# KiCad board SignalSnagger.kicad_pcb
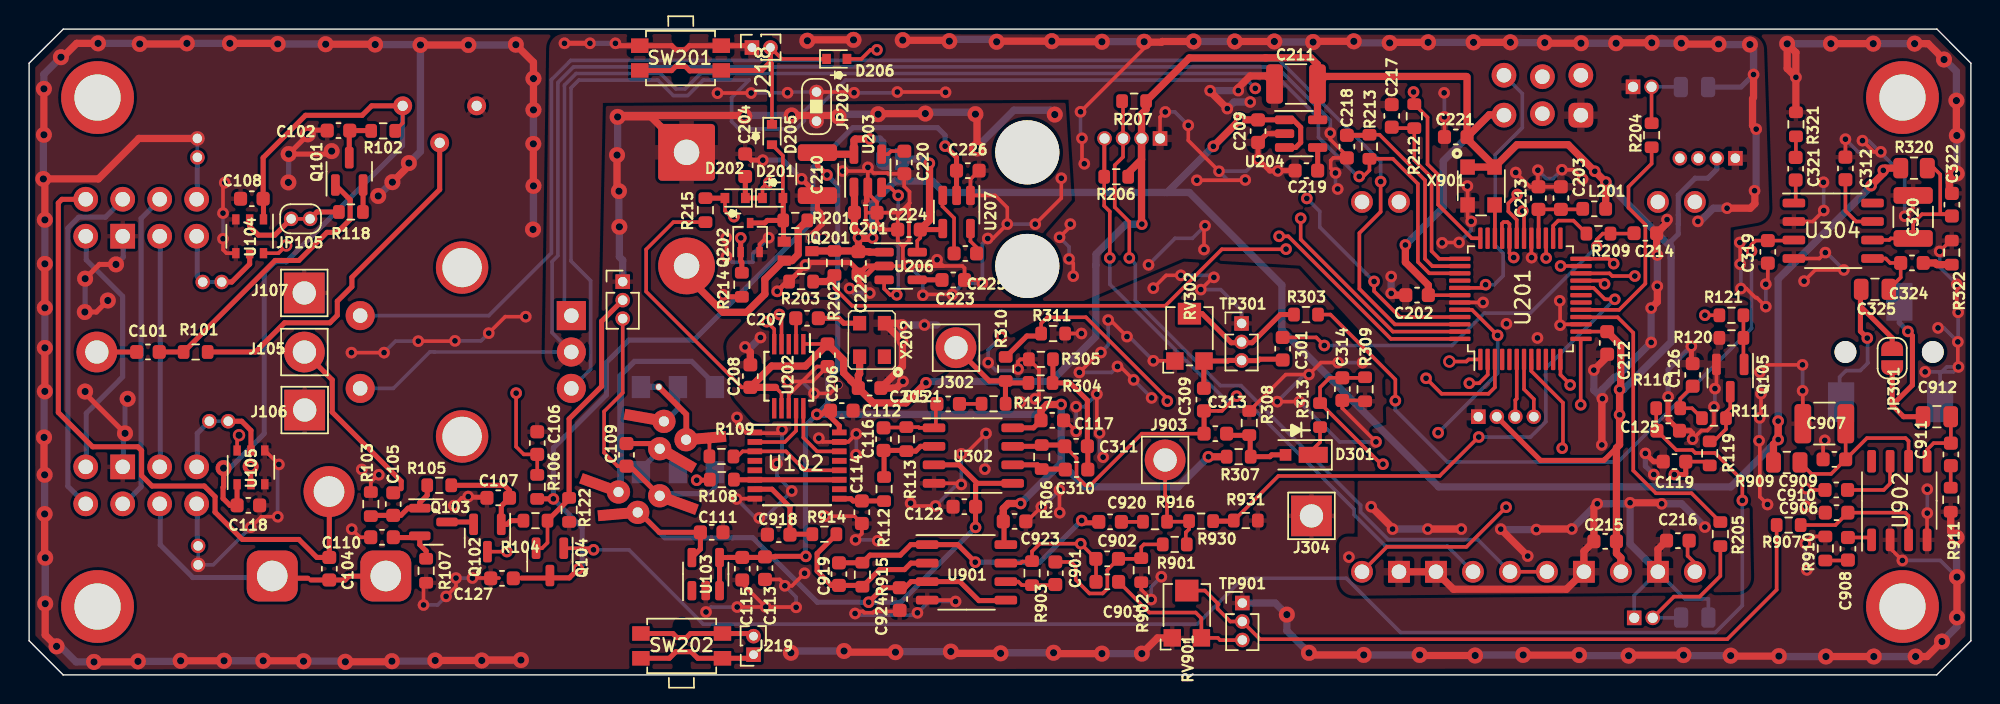
[diagram p0: board, top side]
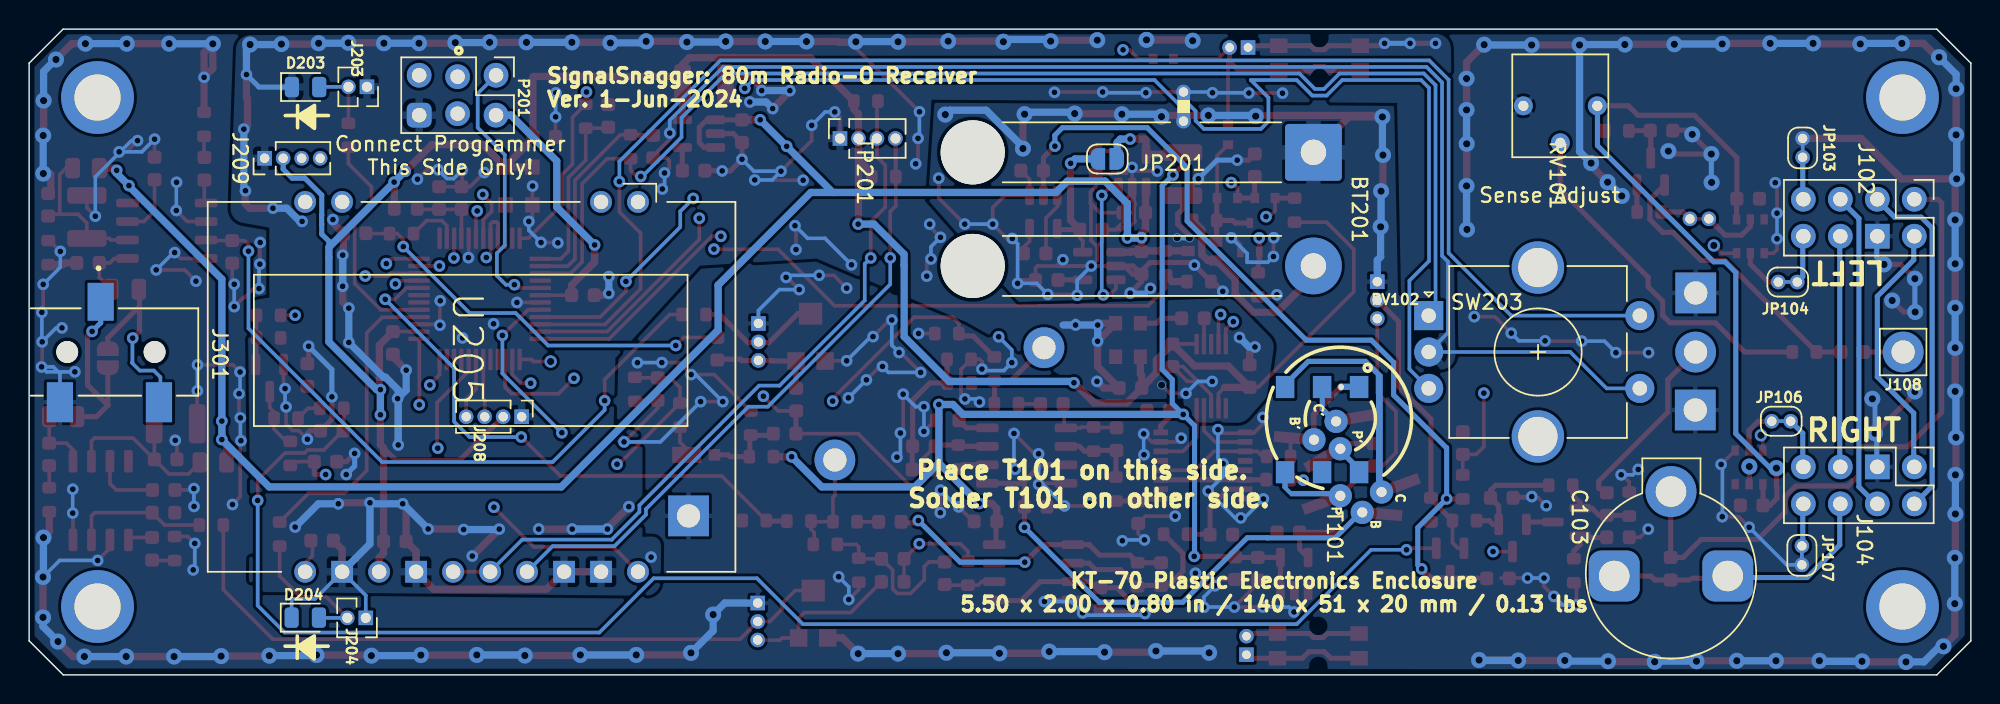
[diagram p1: board, bottom side, seen from below]

Outline 133.35 x 44.35 mm; copper layers: Top, In1.Cu, In2.Cu, Bottom. Coordinates in mm from the lower left corner of the outline.
Outline path: 0,42.01 0,2.34 2.33,0 131,0 133.35,2.34 133.35,42.01 131.02,44.35 2.34,44.35 0,42.01
Stack: Top 0.035mm / dielectric 0.14mm FR4 er 4.5 / In1.Cu 0.0175mm / dielectric 1.2mm FR4 er 4.5 / In2.Cu 0.0175mm / dielectric 0.14mm FR4 er 4.5 / Bottom 0.035mm

## Placement (name value [footprint] x y rotation side)
BT201  +7.4V 2S Battery  [SolderWire-1sqmm_1x02_P7.8mm_D1.4mm_OD3.9mm_Relief]  45.15 35.89 270 bottom
C101  100pF  [C_0603_1608Metric]  8.16 22.18 0 top
C102  100nF  [C_0603_1608Metric]  21.25 37.38 180 top
C103  8.5-100pF  [VC07B]  20.59 6.79 90 bottom
C104  51pF  [C_0603_1608Metric]  20.61 7.29 270 top
C105  10nF  [C_0603_1608Metric]  25 11.73 270 top
C106  10nF  [C_0603_1608Metric]  34.89 15.92 90 top
C107  10nF  [C_0603_1608Metric]  32.22 12.16 180 top
C108  100nF  [C_0603_1608Metric]  15.3 32.7 180 top
C109  2pF  [C_0603_1608Metric]  41.03 15.11 90 top
C110  10nF  [C_0603_1608Metric]  24.23 9.45 180 top
C111  100nF  [C_0603_1608Metric]  46.88 9.79 0 top
C112  100nF  [C_0603_1608Metric]  55.81 18.15 0 top
C113  10uF  [C_0603_1608Metric]  50.53 7.33 270 top
C114  47nF  [C_0603_1608Metric]  57.18 11.17 270 top
C115  100nF  [C_0603_1608Metric]  48.97 7.29 270 top
C116  390pF  [C_0603_1608Metric]  58.67 16.19 270 top
C117  100nF  [C_0603_1608Metric]  70.27 17.48 0 top
C118  100nF  [C_0603_1608Metric]  15.05 11.64 0 top
C119  100nF  [C_0603_1608Metric]  112.99 14.64 180 top
C121  100nF  [C_0603_1608Metric]  63.11 18.61 0 top
C122  100nF  [C_0603_1608Metric]  64.23 11.55 180 top
C125  1uF  [C_0603_1608Metric]  112.57 16.77 180 top
C126  1uF  [C_0603_1608Metric]  114.24 20.6 270 top
C127  100nF  [C_0603_1608Metric]  32.47 6.63 180 top
C201  100nF  [C_0603_1608Metric]  57.45 31.74 180 top
C202  100nF  [C_0603_1608Metric]  95.32 26.08 0 top
C203  100nF  [C_0603_1608Metric]  105.19 32.75 270 top
C204  10nF  [C_0603_1608Metric]  49.17 35 90 top
C205  100nF  [C_0603_1608Metric]  57.72 19.7 180 top
C206  470nF  [C_0603_1608Metric]  54.83 21.95 90 top
C207  100nF  [C_0603_1608Metric]  53.42 24.49 180 top
C208  470nF  [C_0603_1608Metric]  49.53 20.52 90 top
C209  100nF  [C_0603_1608Metric]  84.39 37.34 90 top
C210  47uF  [C_1210_3225Metric]  54.14 34.39 90 top
C211  47uF  [C_1210_3225Metric]  87.01 40.58 0 top
C212  100nF  [C_0603_1608Metric]  108.37 22.8 90 top
C213  10uF  [C_0603_1608Metric]  103.65 32.75 90 top
C214  10nF  [C_0603_1608Metric]  110.99 30.33 0 top
C215  1uF  [C_0603_1608Metric]  108.23 9.17 180 top
C216  1uF  [C_0603_1608Metric]  113.23 9.22 0 top
C217  10nF  [C_0603_1608Metric]  93.58 38.39 90 top
C218  10nF  [C_0603_1608Metric]  90.5 36.28 90 top
C219  10nF  [C_0603_1608Metric]  87.71 34.63 180 top
C220  10nF  [C_0603_1608Metric]  60.11 35.19 270 top
C221  100nF  [C_0603_1608Metric]  97.98 36.94 0 top
C222  100nF  [C_0603_1608Metric]  56.95 28.29 90 top
C223  10nF  [C_0603_1608Metric]  63.46 27.12 0 top
C224  10uF  [C_0603_1608Metric]  60.42 30.58 0 top
C225  10uF  [C_0603_1608Metric]  64.3 28.94 0 top
C226  10uF  [C_0603_1608Metric]  64.46 34.63 0 top
C301  100nF  [C_0603_1608Metric]  86.08 22.4 270 top
C309  100nF  [C_0603_1608Metric]  80.67 18.91 90 top
C310  150nF  [C_0603_1608Metric]  71.93 14.1 0 top
C311  4.7nF  [C_0603_1608Metric]  71.9 15.7 0 top
C312  10uF  [C_0603_1608Metric]  124.73 34.78 270 top
C313  100nF  [C_0603_1608Metric]  81.46 16.56 0 top
C314  1uF  [C_0603_1608Metric]  90.18 19.62 270 top
C319  10nF  [C_0603_1608Metric]  119.4 29.05 270 top
C320  47uF  [C_1210_3225Metric]  129.38 31.45 90 top
C321  1uF  [C_0603_1608Metric]  121.32 34.76 90 top
C322  100nF  [C_0603_1608Metric]  132.05 32.29 90 top
C324  100nF  [C_0603_1608Metric]  129.31 28.29 180 top
C325  22uF  [C_0805_2012Metric]  126.77 26.48 0 top
C901  150nF  [C_0603_1608Metric]  70.48 6.98 90 top
C902  4.7nF  [C_0603_1608Metric]  74.04 7.97 0 top
C903  100nF  [C_0603_1608Metric]  74.05 6.39 0 top
C906  10nF  [C_0603_1608Metric]  124.12 11.14 180 top
C907  47uF  [C_1210_3225Metric]  123.29 17.25 180 top
C908  1uF  [C_0603_1608Metric]  124.9 8.66 270 top
C909  100nF  [C_0603_1608Metric]  123.98 14.8 180 top
C910  10uF  [C_0603_1608Metric]  124.11 12.7 0 top
C911  100nF  [C_0603_1608Metric]  131.98 15.14 90 top
C912  22uF  [C_0805_2012Metric]  131.01 17.73 0 top
C918  47nF  [C_0603_1608Metric]  51.48 9.63 180 top
C919  390pF  [C_0603_1608Metric]  55.61 6.92 90 top
C920  100nF  [C_0603_1608Metric]  74.23 10.51 0 top
C923  100nF  [C_0603_1608Metric]  67.67 10.54 0 top
C924  100nF  [C_0603_1608Metric]  59.79 5.21 270 top
D201  1N914WT  [D_SOD-523]  51.07 32.75 0 top
D202  1N914WT  [D_SOD-523]  48.48 32.75 180 top
D203  Red LED  [LED_0805_2012Metric]  114.36 40.37 180 bottom
D204  Green LED  [LED_0805_2012Metric]  114.39 3.93 180 bottom
D205  1N914WT  [D_SOD-523]  51.02 37.11 270 top
D206  1N914WT  [D_SOD-523]  55.46 42.3 0 top
D301  MSS1P4-M3  [DO-219AD]  87.18 15.11 180 top
J102  -  [69830-008LF#2]  3.89 32.67 270 bottom
J104  -  [69830-008LF]  3.89 14.28 270 bottom
J105  36-5005-ND  [Pin_D1.6mm_L8.5mm_W2.8mm_FlatFork]  18.91 22.17 0 top
J106  36-5006-ND  [Pin_D1.6mm_L8.5mm_W2.8mm_FlatFork#2]  18.92 18.19 0 top
J107  36-5006-ND  [Pin_D1.6mm_L8.5mm_W2.8mm_FlatFork#2]  18.89 26.23 0 top
J108  36-5005-ND  [Pin_D1.6mm_L8.5mm_W2.8mm_FlatFork]  4.65 22.17 180 bottom
J203  Conn_01x02  [PinSocket_1x02_P1.27mm_Vertical#2]  110.15 40.39 270 bottom
J204  Conn_01x02  [PinSocket_1x02_P1.27mm_Vertical#2]  110.23 3.92 270 bottom
J208  Conn_01x04  [PinHeader_1x04_P1.27mm_Vertical]  99.52 17.73 270 bottom
J209  Conn_01x04  [PinHeader_1x04_P1.27mm_Vertical]  117.17 35.48 90 bottom
J218  Conn_01x02  [PinSocket_1x02_P1.27mm_Vertical]  49.64 43.08 90 top
J219  Conn_01x02  [PinSocket_1x02_P1.27mm_Vertical]  49.75 1.39 180 top
J301  35RASMT2BHSNTRX  [SWITCHCRAFT_35RASMT2BHSNTRX]  133.24 22.17 270 bottom
J302  36-5005-ND  [Pin_D1.6mm_L8.5mm_W2.8mm_FlatFork]  63.65 22.47 0 top
J304  36-5006-ND  [Pin_D1.6mm_L8.5mm_W2.8mm_FlatFork#2]  88.07 10.92 0 top
J903  36-5005-ND  [Pin_D1.6mm_L8.5mm_W2.8mm_FlatFork]  78.02 14.76 0 top
JP103  Jumper_2_Bridged  [Jumper_THT-1x02_Bridged_Circular]  11.55 36.19 270 bottom
JP104  Jumper_2_Bridged  [Jumper_THT-1x02_Bridged_Circular]  12.58 26.98 180 bottom
JP105  Jumper_2_Bridged  [Jumper_THT-1x02_Bridged_Circular]  18.64 31.32 180 top
JP106  Jumper_2_Bridged  [Jumper_THT-1x02_Bridged_Circular]  13.03 17.42 180 bottom
JP107  Jumper_2_Bridged  [Jumper_THT-1x02_Bridged_Circular]  11.61 8.21 90 bottom
JP201  SolderJumper_2_Open  [SolderJumper-2_P1.3mm_Open_RoundedPad1.0x1.5mm]  59.3 35.43 180 bottom
JP202  Jumper_2_Bridged  [Jumper_THT-1x02_Bridged_Circular#2]  54.08 39.03 270 top
JP301  SolderJumper_2_Open  [SolderJumper-2_P1.3mm_Open_RoundedPad1.0x1.5mm]  127.95 21.75 270 top
L201  10uH  [L_0603_1608Metric]  107.48 32.01 180 top
P201  ISP/PDI  [PinHeader_2x03_P2.54mm_Vertical]  101.39 41.08 270 bottom
Q101  MMBT2222A  [SOT-23]  21.98 34.58 90 top
Q102  MMBT2222A  [SOT-23]  31.47 9.4 270 top
Q103  MMBT2222A  [SOT-23]  27.77 10.5 0 top
Q104  MMBT2222A  [SOT-23]  35.77 7.76 270 top
Q105  MMBT2222A  [SOT-23]  116.83 20.39 270 top
Q201  NTS4173PT1G  [SOT-323_SC-70#2]  52.8 29.1 0 top
Q202  BSS138W-7-F  [SOT-323_SC-70]  49.52 30.03 90 top
R101  100k  [R_0603_1608Metric]  11.44 22.18 0 top
R102  1k  [R_0603_1608Metric]  24.31 37.36 180 top
R103  10k  [R_0603_1608Metric]  23.47 11.73 90 top
R104  22k  [R_0603_1608Metric]  34.78 10.59 180 top
R105  10k  [R_0603_1608Metric]  28.17 13.02 180 top
R106  100  [R_0603_1608Metric]  34.89 12.91 90 top
R107  470  [R_0603_1608Metric]  27.27 7.15 270 top
R108  10  [R_0603_1608Metric]  47.58 13.41 180 top
R109  10  [R_0603_1608Metric]  47.55 15 180 top
R110  2.7k  [R_0603_1608Metric]  112.57 18.31 0 top
R111  2.7k  [R_0603_1608Metric]  115.7 17.63 0 top
R112  49.9  [R_0603_1608Metric]  58.71 12.76 270 top
R113  4.99k  [R_0603_1608Metric]  60.24 16.19 270 top
R117  100  [R_0603_1608Metric]  66.23 18.62 0 top
R118  49.9  [R_0603_1608Metric]  22.09 31.79 0 top
R119  2.7k  [R_0603_1608Metric]  115.42 15.21 90 top
R120  10k  [R_0603_1608Metric]  116.9 23.14 180 top
R121  1k  [R_0603_1608Metric]  116.9 24.69 180 top
R122  10k  [R_0603_1608Metric]  37.08 11.33 270 top
R201  100k  [R_0603_1608Metric]  52.61 31.21 180 top
R202  162k  [R_0603_1608Metric]  55.3 28.29 90 top
R203  12.4k  [R_0603_1608Metric]  53.02 27.01 0 top
R204  1k  [R_0603_1608Metric]  111.42 37.06 90 top
R205  220  [R_0603_1608Metric]  116.14 9.67 270 top
R206  10k  [R_0603_1608Metric]  74.65 34.21 180 top
R207  10k  [R_0603_1608Metric]  75.89 39.4 180 top
R209  100  [R_0603_1608Metric]  107.77 30.31 0 top
R212  10k  [R_0603_1608Metric]  95.13 38.37 270 top
R213  10k  [R_0603_1608Metric]  92.05 36.27 90 top
R214  10k  [R_0603_1608Metric]  48.94 26.79 90 top
R215  10k  [R_0603_1608Metric]  46.44 31.92 90 top
R303  10k  [R_0603_1608Metric]  87.69 24.75 0 top
R304  4.7k  [R_0603_1608Metric]  69.45 20.05 0 top
R305  7.5k  [R_0603_1608Metric]  69.48 21.67 180 top
R306  51k  [R_0603_1608Metric]  69.54 14.96 90 top
R307  330k  [R_0603_1608Metric]  83.07 14.98 0 top
R308  10k  [R_0603_1608Metric]  83.8 17.3 90 top
R309  51k  [R_0603_1608Metric]  91.74 19.61 90 top
R310  49.9k  [R_0603_1608Metric]  67.07 21.01 90 top
R311  10k  [R_0603_1608Metric]  70.33 23.44 0 top
R313  1k  [R_0603_1608Metric]  88.65 17.84 90 top
R320  10  [R_0805_2012Metric]  129.44 34.8 0 top
R321  470  [R_0603_1608Metric]  121.33 37.81 90 top
R322  10  [R_0603_1608Metric]  132.04 29 90 top
R901  4.7k  [R_0603_1608Metric]  78.67 8.96 180 top
R902  7.5k  [R_0603_1608Metric]  76.37 7.19 270 top
R903  51k  [R_0603_1608Metric]  68.87 6.98 90 top
R907  10k  [R_0603_1608Metric]  120.83 10.29 0 top
R909  10  [R_0805_2012Metric]  120.7 14.59 0 top
R910  470  [R_0603_1608Metric]  123.36 8.68 90 top
R911  10  [R_0603_1608Metric]  131.96 12.03 270 top
R914  49.9  [R_0603_1608Metric]  54.61 9.66 180 top
R915  4.99k  [R_0603_1608Metric]  57.23 6.88 90 top
R916  100  [R_0603_1608Metric]  77.32 10.52 0 top
R930  49.9k  [R_0603_1608Metric]  80.48 10.56 0 top
R931  10k  [R_0603_1608Metric]  83.55 10.6 0 top
REF**  MountingHole_3.175mm_0.125in  [MountingHole_3.2mm_M3]  4.7 4.69 0 top
REF**#2  MountingHole_3.175mm_0.125in  [MountingHole_3.2mm_M3]  128.65 4.69 0 top
REF**#3  MountingHole_3.175mm_0.125in  [MountingHole_3.2mm_M3]  4.7 39.65 0 top
REF**#4  MountingHole_3.175mm_0.125in  [MountingHole_3.2mm_M3]  128.65 39.65 0 top
RV101  10k 10T  [Potentiometer_Bourns_3362P_Vertical]  30.73 39.08 270 bottom
RV102  np  [PinHeader_1x03_P1.27mm_Vertical]  40.77 27 0 top
RV302  100k  [Potentiometer_Bourns_TC33X_Vertical]  79.68 23.36 90 top
RV901  100k  [Potentiometer_Bourns_TC33X_Vertical]  79.51 4.34 90 top
SW201  SW_SPST  [SW_SPST_TL1014BF160QG]  44.73 42.36 180 top
SW202  SW_SPST  [SW_SPST_TL1014BF160QG]  44.81 1.99 0 top
SW203  PEC12R-4225F-S0024  [RotaryEncoder_Bourns_PEC12R-Switch_Vertical_CircularMountingHoles]  29.73 22.17 180 bottom
T101  Coilcraft_PWB-4-CLC  [Coilcraft-PWB-4-CLC]  43.3 17.58 90 bottom
TP201  I2C1  [PinSocket_1x04_P1.27mm_Vertical]  77.67 36.84 90 bottom
TP301  Conn_01x03  [PinHeader_1x03_P1.27mm_Vertical]  83.27 24.14 0 top
TP901  Conn_01x03  [PinHeader_1x03_P1.27mm_Vertical]  83.32 4.94 0 top
U102  QS3253QG8  [SSOP-16_4.4x5.2mm_P0.65mm]  52.74 14.38 0 top
U103  REF4132B33  [SOT-23-5]  46.47 6.92 90 top
U104  DG9422E  [TSOP-6_1.65x3.05mm_P0.95mm]  15.14 30.12 270 top
U105  DG9422E  [TSOP-6_1.65x3.05mm_P0.95mm]  15.23 14.25 90 top
U201  AVR128DA48  [TQFP-48_7x7mm_P0.5mm]  102.41 25.83 90 top
U202  SI5351  [MSOP-10_3x3mm_P0.5mm]  52.17 20.51 270 top
U203  LP2985-5.0  [SOT-23-5]  57.6 34.62 90 top
U204  LP2985-3.3  [SOT-23-5]  87.36 37.17 0 top
U205  EA_DOGS104W-A  [EA_DOGS104X-A]  91.54 32.48 270 bottom
U206  LP2985-5.0  [SOT-23-5]  59.86 28.08 0 top
U207  MAX1683EUK  [SOT-23-5]  63.7 31.79 270 top
U302  TS912IDT  [SO-8_3.9x4.9mm_P1.27mm]  64.85 15.06 0 top
U304  LM386  [SOIC-8_3.9x4.9mm_P1.27mm]  123.89 30.5 0 top
U901  TS912IDT  [SO-8_3.9x4.9mm_P1.27mm]  64.37 7.04 0 top
U902  LM386  [SOIC-8_3.9x4.9mm_P1.27mm]  128.44 11.97 90 top
X202  25 MHz  [Crystal_SMD_TXETCLSANF-4Pin]  57.89 23 90 top
X901  ECS-327TXO-30-TR  [Oscillator_SMD_ECS_327TXO]  99.71 33.58 0 top

## Library data of the parts
BT201 = -: Digi-Key Part No.: NP
C101 = -: Description: CAP CER 100PF 50V C0G/NPO 0603; Digi-Key Part No.: 311-1069-1-ND; Link: https://www.digikey.com/en/products/detail/yageo/CC0603JRNPO9BN101/302803; Manufacturer: YAGEO; Manufacturer PN: CC0603JRNPO9BN101
C102 C108 C111 C112 C115 C117-C119 C121 C122 C127 C201-C203 C205 C207 C209 C212 C221 C222 C301 C309 C313 C322 C324 C903 C909 C911 C920 C923 C924 = -: Description: CAP CER 0.1UF 25V X7R 0603; Digi-Key Part No.: 1276-1006-1-ND; Link: https://www.digikey.com/en/products/detail/samsung-electro-mechanics/CL10B104KA8NNNC/3886664; Manufacturer: Samsung Electro-Mechanics; Manufacturer PN: CL10B104KA8NNNC
C103 = -: Digi-Key Part No.: N/P; Link: https://www.jameco.com/z/CTC07RB-100-Jameco-ValuePro-Capacitor-Ceramic-Trimmer-8mm-8-5-100pf-250-Volt-Color-Purple_94449.html; Manufacturer PN: CTC07RB-100
C104 = -: Description: CAP CER 51PF 50V C0G/NP0 0603; Digi-Key Part No.: 1276-2310-1-ND; Link: https://www.digikey.com/short/1b7zj2f9; Manufacturer: Samsung Electro-Mechanics; Manufacturer PN: CL10C510JB8NNNC
C105-C107 C110 C204 C214 C217-C220 C223 C319 C906 = -: Description: CAP CER 0603 10NF 16V ULTRA STAB; Digi-Key Part No.: 399-C0603X103J4HACAUTOCT-ND; Link: https://www.digikey.com/short/w78125d0; Manufacturer: KEMET; Manufacturer PN: C0603X103J4HACAUTO
C109 = -: Description: CAP CER 2PF 50V NP0 0603; Digi-Key Part No.: 478-11610-1-ND; Link: https://www.digikey.com/en/products/detail/kyocera-avx/06035A2R0JAT2A/3080535; Manufacturer: KYOCERA AVX; Manufacturer PN: 06035A2R0JAT2A
C113 C213 C224-C226 C312 C910 = -: Description: CAP CER 10UF 16V X6S 0603; Digi-Key Part No.: 490-7198-1-ND; Link: https://www.digikey.com/en/products/detail/murata-electronics/GRM188C81C106MA73D/3900463; Manufacturer: Murata Electronics; Manufacturer PN: GRM188C81C106MA73D
C114 C918 = -: Description: CAP CER 0603 47NF 16V X7R 5%; Digi-Key Part No.: 399-C0603X473J4RECAUTO7411CT-ND; Manufacturer: KEMET; Manufacturer PN: C0603X473J4RECAUTO7411
C116 C919 = -: Description: CAP CER 390PF 50V C0G/NPO 0603; Digi-Key Part No.: 311-1076-1-ND; Manufacturer: YAGEO; Manufacturer PN: CC0603JRNPO9BN391
C125 C126 C215 C216 C314 C321 C908 = -: Description: CAP CER 1UF 25V X5R 0603; Digi-Key Part No.: 311-1445-1-ND; LCSC Part Number: C29926; Link: https://www.digikey.com/short/q2f22qnq; Manufacturer: YAGEO; Manufacturer PN: CC0603KRX5R8BB105
C206 C208 = -: Description: CAP CER 470NF 25V X7R 0603; Digi-Key Part No.: 1276-CL10B474KA8VPJCCT-ND; Manufacturer: Samsung Electro-Mechanics; Manufacturer PN: CL10B474KA8VPJC
C210 C211 C320 C907 = -: Description: CAP CER 47UF 16V X5R 1210; Digi-Key Part No.: 1276-3376-1-ND; Manufacturer: Samsung Electro-Mechanics; Manufacturer PN: CL32A476KOJNNNE
C310 C901 = -: Description: CAP CER 0.15UF 16V X7R 0603; Digi-Key Part No.: 399-C0603C154J4RAC7867CT-ND; Manufacturer: KEMET; Manufacturer PN: C0603C154J4RAC7867
C311 C902 = -: Description: CAP CER 0603 4.7NF 16V X7R 10%; Digi-Key Part No.: 399-17879-1-ND; Manufacturer: KEMET; Manufacturer PN: C0603C472K4RECAUTO
C325 C912 = -: Description: CAP CER 22UF 16V X5R 0805; Digi-Key Part No.: 1276-2909-1-ND; Manufacturer: Samsung Electro-Mechanics; Manufacturer PN: CL21A226MOQNNNE
D201 D202 D205 D206 = -: Description: DIODE GEN PURP 80V 125MA SOD523; Digi-Key Part No.: 1N4148WTDICT-ND; LCSC Part Number: C83482; Link: https://www.digikey.com/en/products/detail/diodes-incorporated/1N4148WT-7/583731; Manufacturer: Diodes Incorporated; Manufacturer PN: 1N4148WT-7
D203 = -: Description: LED RED CLEAR SMD; Digi-Key Part No.: 160-1415-1-ND; LCSC Part Number: C94868; Link: https://www.digikey.com/en/products/detail/liteon/LTST-C170KRKT/386779; Manufacturer: Lite-On Inc.; Manufacturer PN: LTST-C170KRKT
D204 = -: Description: LED GREEN CLEAR SMD; Digi-Key Part No.: 160-1414-1-ND; LCSC Part Number: C98221; Link: https://www.digikey.com/en/products/detail/liteon/LTST-C170KGKT/386777; Manufacturer: Lite-On Inc.; Manufacturer PN: LTST-C170KGKT
D301 = -: Description: DIODE SCHOTTKY 40V 1A MICROSMP; Digi-Key Part No.: MSS1P4-M3/89AGICT-ND; Manufacturer: Vishay General Semiconductor - Diodes Division; Manufacturer PN: MSS1P4-M3/89A
J102 J104 = -: Description: CONN DIP HDR IDC 8POS VERT; Digi-Key Part No.: 609-3083-ND; Manufacturer: Amphenol ICC (FCI)
J105-J108 J203 J204 J218 J219 J302 J304 J903 JP103-JP107 JP201 JP202 JP301 TP201 TP301 TP901 = -: Digi-Key Part No.: N/P
J301 = -: Description: 3.5MM SURFACE MOUNT JACK, STEREO; Digi-Key Part No.: 137-35RASMT2BHSNTRXCT-ND; Link: https://www.digikey.com/en/products/detail/switchcraft-inc/35RASMT2BHSNTRX/16041351; Manufacturer: Switchcraft Inc.
L201 = -: Description: FIXED IND 10UH 300MA 0603; Digi-Key Part No.: 490-LQM18DN100M70LCT-ND; Link: https://www.digikey.com/en/products/detail/murata-electronics/LQM18DN100M70L/12476609; Manufacturer: Murata Electronics; Manufacturer PN: LQM18DN100M70L
P201 = -: Description: CONN HEADER SMD 8POS 2.54MM; Digi-Key Part No.: M20-8760442-ND; Link: https://www.digikey.com/en/products/detail/harwin-inc/M20-8760442/3919929; Manufacturer: Harwin Inc.; Manufacturer PN: M20-8760442
Q101-Q105 = -: Description: TRANS NPN 40V 0.6A SOT23-3; Digi-Key Part No.: SMMBT2222ALT1GOSCT-ND; Link: https://www.digikey.com/short/4mtqzzhm; Manufacturer: onsemi; Manufacturer PN: SMMBT2222ALT1G
Q201 = -: Description: MOSFET P-CH 30V 1.2A SC70-3; Digi-Key Part No.: NTS4173PT1GOSCT-ND; Link: https://www.digikey.com/short/vpmddfwp; Manufacturer: Onsemi
Q202 = -: Description: MOSFET N-CH 50V 200MA SOT323; Digi-Key Part No.: BSS138W-FDICT-ND; LCSC Part Number: C24553; Link: https://www.digikey.com/short/m8f8nn79; Manufacturer: Diodes Incorporated
R101 R201 = -: Description: RES 100K OHM 1% 1/10W 0603; Digi-Key Part No.: 311-100KHRCT-ND; Link: https://www.digikey.com/en/products/detail/yageo/RC0603FR-07100KL/726889; Manufacturer: YAGEO; Manufacturer PN: RC0603FR-07100KL
R102 R121 R204 R313 = -: Description: RES 1K OHM 1% 1/10W 0603; Digi-Key Part No.: 311-1.00KHRCT-ND; Link: https://www.digikey.com/en/products/detail/yageo/RC0603FR-071KL/726843; Manufacturer: YAGEO; Manufacturer PN: RC0603FR-071KL
R103 R105 R120 R122 R206 R207 R212-R215 R303 R308 R311 R907 R931 = -: Description: RES 10K OHM 1% 1/10W 0603; Digi-Key Part No.: 311-10.0KHRCT-ND; Link: https://www.digikey.com/en/products/detail/yageo/RC0603FR-0710KL/726880; Manufacturer: YAGEO; Manufacturer PN: RC0603FR-0710KL
R104 = -: Description: RES 22K OHM 1% 1/10W 0603; Digi-Key Part No.: 311-22.0KHRCT-ND; Link: https://www.digikey.com/en/products/detail/yageo/RC0603FR-0722KL/727056; Manufacturer: YAGEO; Manufacturer PN: RC0603FR-0722KL
R106 R117 R209 R916 = -: Description: RES 100 OHM 1% 1/10W 0603; Digi-Key Part No.: 311-100HRCT-ND; Link: https://www.digikey.com/en/products/detail/yageo/RC0603FR-07100RL/726888; Manufacturer: YAGEO; Manufacturer PN: RC0603FR-07100RL
R107 R321 R910 = -: Description: RES 470 OHM 1% 1/10W 0603; Digi-Key Part No.: 311-470HRCT-ND; Link: https://www.digikey.com/en/products/detail/yageo/RC0603FR-07470RL/727256; Manufacturer: YAGEO; Manufacturer PN: RC0603FR-07470RL
R108 R109 R322 R911 = -: Description: RES 10 OHM 1% 1/10W 0603; Digi-Key Part No.: 311-10.0HRCT-ND; Link: https://www.digikey.com/en/products/detail/yageo/RC0603FR-0710RL/726879; Manufacturer: YAGEO; Manufacturer PN: RC0603FR-0710RL
R110 R111 R119 = -: Description: RES 2.7K OHM 1% 1/10W 0603; Digi-Key Part No.: 311-2.70KHRCT-ND; Link: https://www.digikey.com/en/products/detail/yageo/RC0603FR-072K7L/727032; Manufacturer: YAGEO; Manufacturer PN: RC0603FR-072K7L
R112 R118 R914 = -: Description: RES SMD 49.9 OHM 1% 1/10W 0603; Digi-Key Part No.: P49.9HCT-ND; Manufacturer: Panasonic Electronic Components; Manufacturer PN: ERJ-3EKF49R9V
R113 R915 = -: Description: RES 4.99K OHM 1% 1/10W 0603; Digi-Key Part No.: 311-4.99KHRCT-ND; Link: https://www.digikey.com/en/products/detail/yageo/RC0603FR-074K99L/727219; Manufacturer: YAGEO; Manufacturer PN: RC0603FR-074K99L
R202 = -: Description: RES 162K OHM 1% 1/10W 0603; Digi-Key Part No.: 311-162KHRCT-ND; Link: https://www.digikey.com/en/products/detail/yageo/RC0603FR-07162KL/726975; Manufacturer: YAGEO; Manufacturer PN: RC0603FR-07162KL
R203 = -: Description: RES 12.4K OHM 1% 1/10W 0603; Digi-Key Part No.: 311-12.4KHRCT-ND; Link: https://www.digikey.com/en/products/detail/yageo/RC0603FR-0712K4L/726917; Manufacturer: YAGEO; Manufacturer PN: RC0603FR-0712K4L
R205 = -: Description: RES 220 OHM 1% 1/10W 0603; Digi-Key Part No.: 311-220HRCT-ND; Link: https://www.digikey.com/en/products/detail/yageo/RC0603FR-07220RL/727061; Manufacturer: YAGEO; Manufacturer PN: RC0603FR-07220RL
R304 R901 = -: Description: RES 4.7K OHM 1% 1/10W 0603; Digi-Key Part No.: 311-4.70KHRCT-ND; Link: https://www.digikey.com/en/products/detail/yageo/RC0603FR-074K7L/727212; Manufacturer: YAGEO; Manufacturer PN: RC0603FR-074K7L
R305 R902 = -: Description: RES 7.5K OHM 1% 1/10W 0603; Digi-Key Part No.: 311-7.50KHRCT-ND; Link: https://www.digikey.com/en/products/detail/yageo/RC0603FR-077K5L/727366; Manufacturer: YAGEO; Manufacturer PN: RC0603FR-077K5L
R306 R309 R903 = -: Description: RES 51K OHM 1% 1/10W 0603; Digi-Key Part No.: 311-51.0KHRCT-ND; Link: https://www.digikey.com/en/products/detail/yageo/RC0603FR-0751KL/727282; Manufacturer: YAGEO; Manufacturer PN: RC0603FR-0751KL
R307 = -: Description: RES 330K OHM 1% 1/10W 0603; Digi-Key Part No.: 311-330KHRCT-ND; Link: https://www.digikey.com/en/products/detail/yageo/RC0603FR-07330KL/727163; Manufacturer: YAGEO; Manufacturer PN: RC0603FR-07330KL
R310 R930 = -: Description: RES SMD 49.9K OHM 1% 1/10W 0603; Digi-Key Part No.: 311-49.9KLDCT-ND; Link: https://www.digikey.com/en/products/detail/yageo/AC0603FR-0749K9L/2827826; Manufacturer: YAGEO; Manufacturer PN: AC0603FR-0749K9L
R320 R909 = -: Description: RES 10 OHM 5% 1/2W 0805; Digi-Key Part No.: RHM10KCT-ND; Link: https://www.digikey.com/en/products/detail/rohm-semiconductor/ESR10EZPJ100/1762746; Manufacturer: Rohm Semiconductor; Manufacturer PN: ESR10EZPJ100
RV101 = -: Description: TRIMMER 10K OHM 0.5W PC PIN TOP; Digi-Key Part No.: 3362P-103LF-ND; Link: https://www.digikey.com/en/products/detail/bourns-inc/3362P-1-103LF/1088412?s=N4IgTCBcDaIMxwGxgAoFoCMAGOAZAYmgHIAiIAugL5A; Manufacturer: Bourns Inc.; Manufacturer PN: 3362P-1-103LF
RV302 RV901 = -: Description: TRIMMER 100KOHM 0.15W J LEAD TOP; Digi-Key Part No.: TC33X-104ECT-ND; Link: https://www.digikey.com/en/products/detail/bourns-inc/TC33X-2-104E/612859; Manufacturer: Bourns Inc.; Manufacturer PN: TC33X-2-104E
SW201 SW202 = -: Description: SWITCH TACTILE SPST-NO 0.05A 12V; Digi-Key Part No.: EG5042CT-ND; Link: https://www.digikey.com/en/products/detail/e-switch/TL1014BF160QG/3910805; Manufacturer: E-Switch; Manufacturer PN: TL1014BF160QG
SW203 = -: Description: ROTARY ENCODER MECHANICAL 24PPR; Digi-Key Part No.: PEC12R-4225F-S0024-ND; Link: https://www.digikey.com/en/products/detail/bourns-inc/PEC12R-4225F-S0024/4499648?s=N4IgTCBcDaIAoFEDCBGMAlAtAFjGArAGKYDKADGWNiALoC%2BQA; Manufacturer: Bourns Inc.
T101 = -: Field4: 4; Field5: 4; Field6: 1; Field7: 3; Field8: 2; Field9: 5
U102 = -: Description: IC MUX/DEMUX 2 X 4:1 16QSOP; Digi-Key Part No.: PI5C3253QEXDICT-ND; Link: https://www.digikey.com/en/products/detail/diodes-incorporated/PI5C3253QEX/4739122; Manufacturer: Diodes Incorporated; Manufacturer PN: PI5C3253QEX
U103 = -: Description: IC VREF SERIES 0.05% SOT23-5; Digi-Key Part No.: 296-REF4132B25DBVRCT-ND; Link: https://www.digikey.com/short/47jz2mvv; Manufacturer: Texas Instruments; Manufacturer PN: REF4132B25DBVR
U104 U105 = -: Description: IC SWITCH SPST-NOX1 3.2OHM 6TSOP; Digi-Key Part No.: DG9422EDV-T1-GE3CT-ND; Link: https://www.digikey.com/en/products/detail/vishay-siliconix/DG9422EDV-T1-GE3/7422978?s=N4IgTCBcDaICIHECcAWMYCiIC6BfIA; Manufacturer: Vishay Siliconix; Manufacturer PN: DG9422EDV-T1-GE3
U201 = -: Description: IC MCU 8BIT 128KB FLASH 48TQFP; Digi-Key Part No.: 150-AVR128DA48T-E/PTCT-ND; LCSC Part Number: C1870720; Link: <a href="https://www.digikey.com/products/en?keywords=150-AVR128DA48T-E/PTCT-ND">Link</a>; Manufacturer: Microchip Technology; Manufacturer PN: AVR128DA48T-E/PT
U202 = -: Description: IC CLK GENERATOR 200MHZ 10MSOP; Digi-Key Part No.: 336-2399-5-ND; LCSC Part Number: C529366; Link: https://www.digikey.com/products/en?keywords=336-2399-5-ND; Manufacturer: Silicon Labs; Manufacturer PN: SI5351A-B-GT